# Altium PCB PCB_REV1.PcbDoc (part 1 of 2)
Units mm, origin at the board's own origin, x right, y up, seen from the top; angles counter-clockwise.
Board outline 100 x 100 mm, 2 copper layers (Top Layer, Bottom Layer); 235 components, 215 nets, 648 pads, 178 vias.
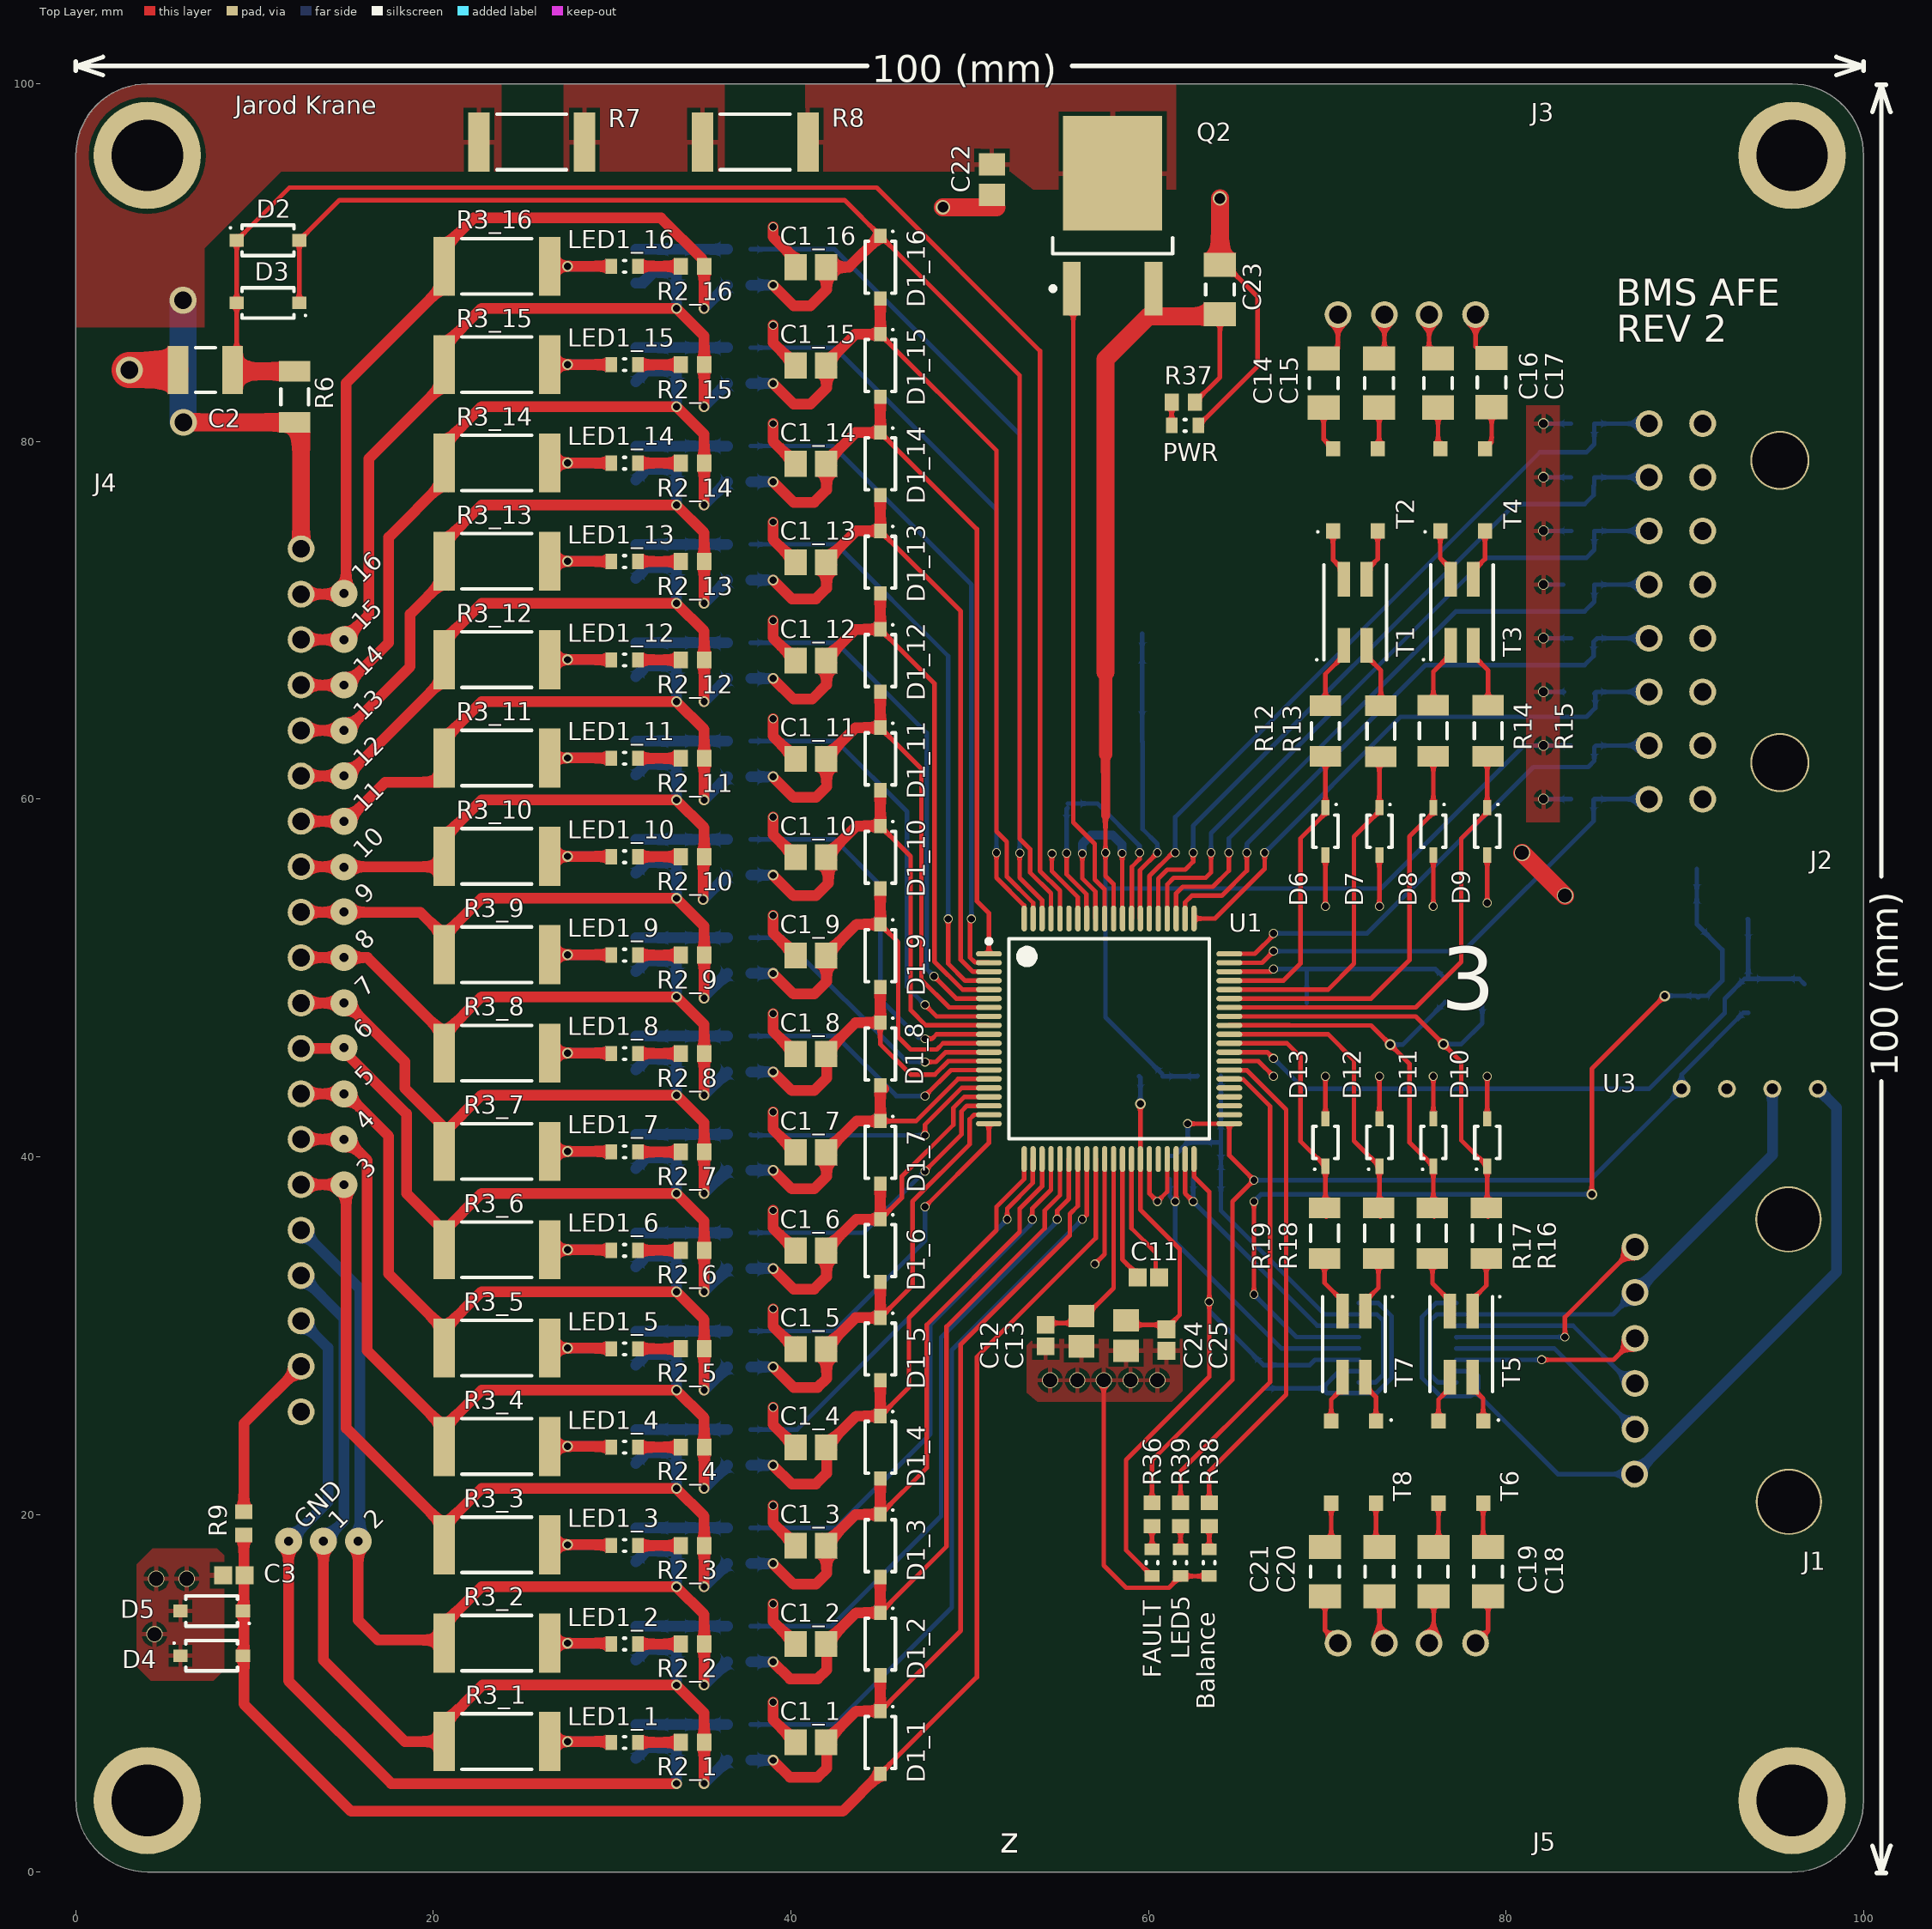
[diagram p0: Top Layer view]
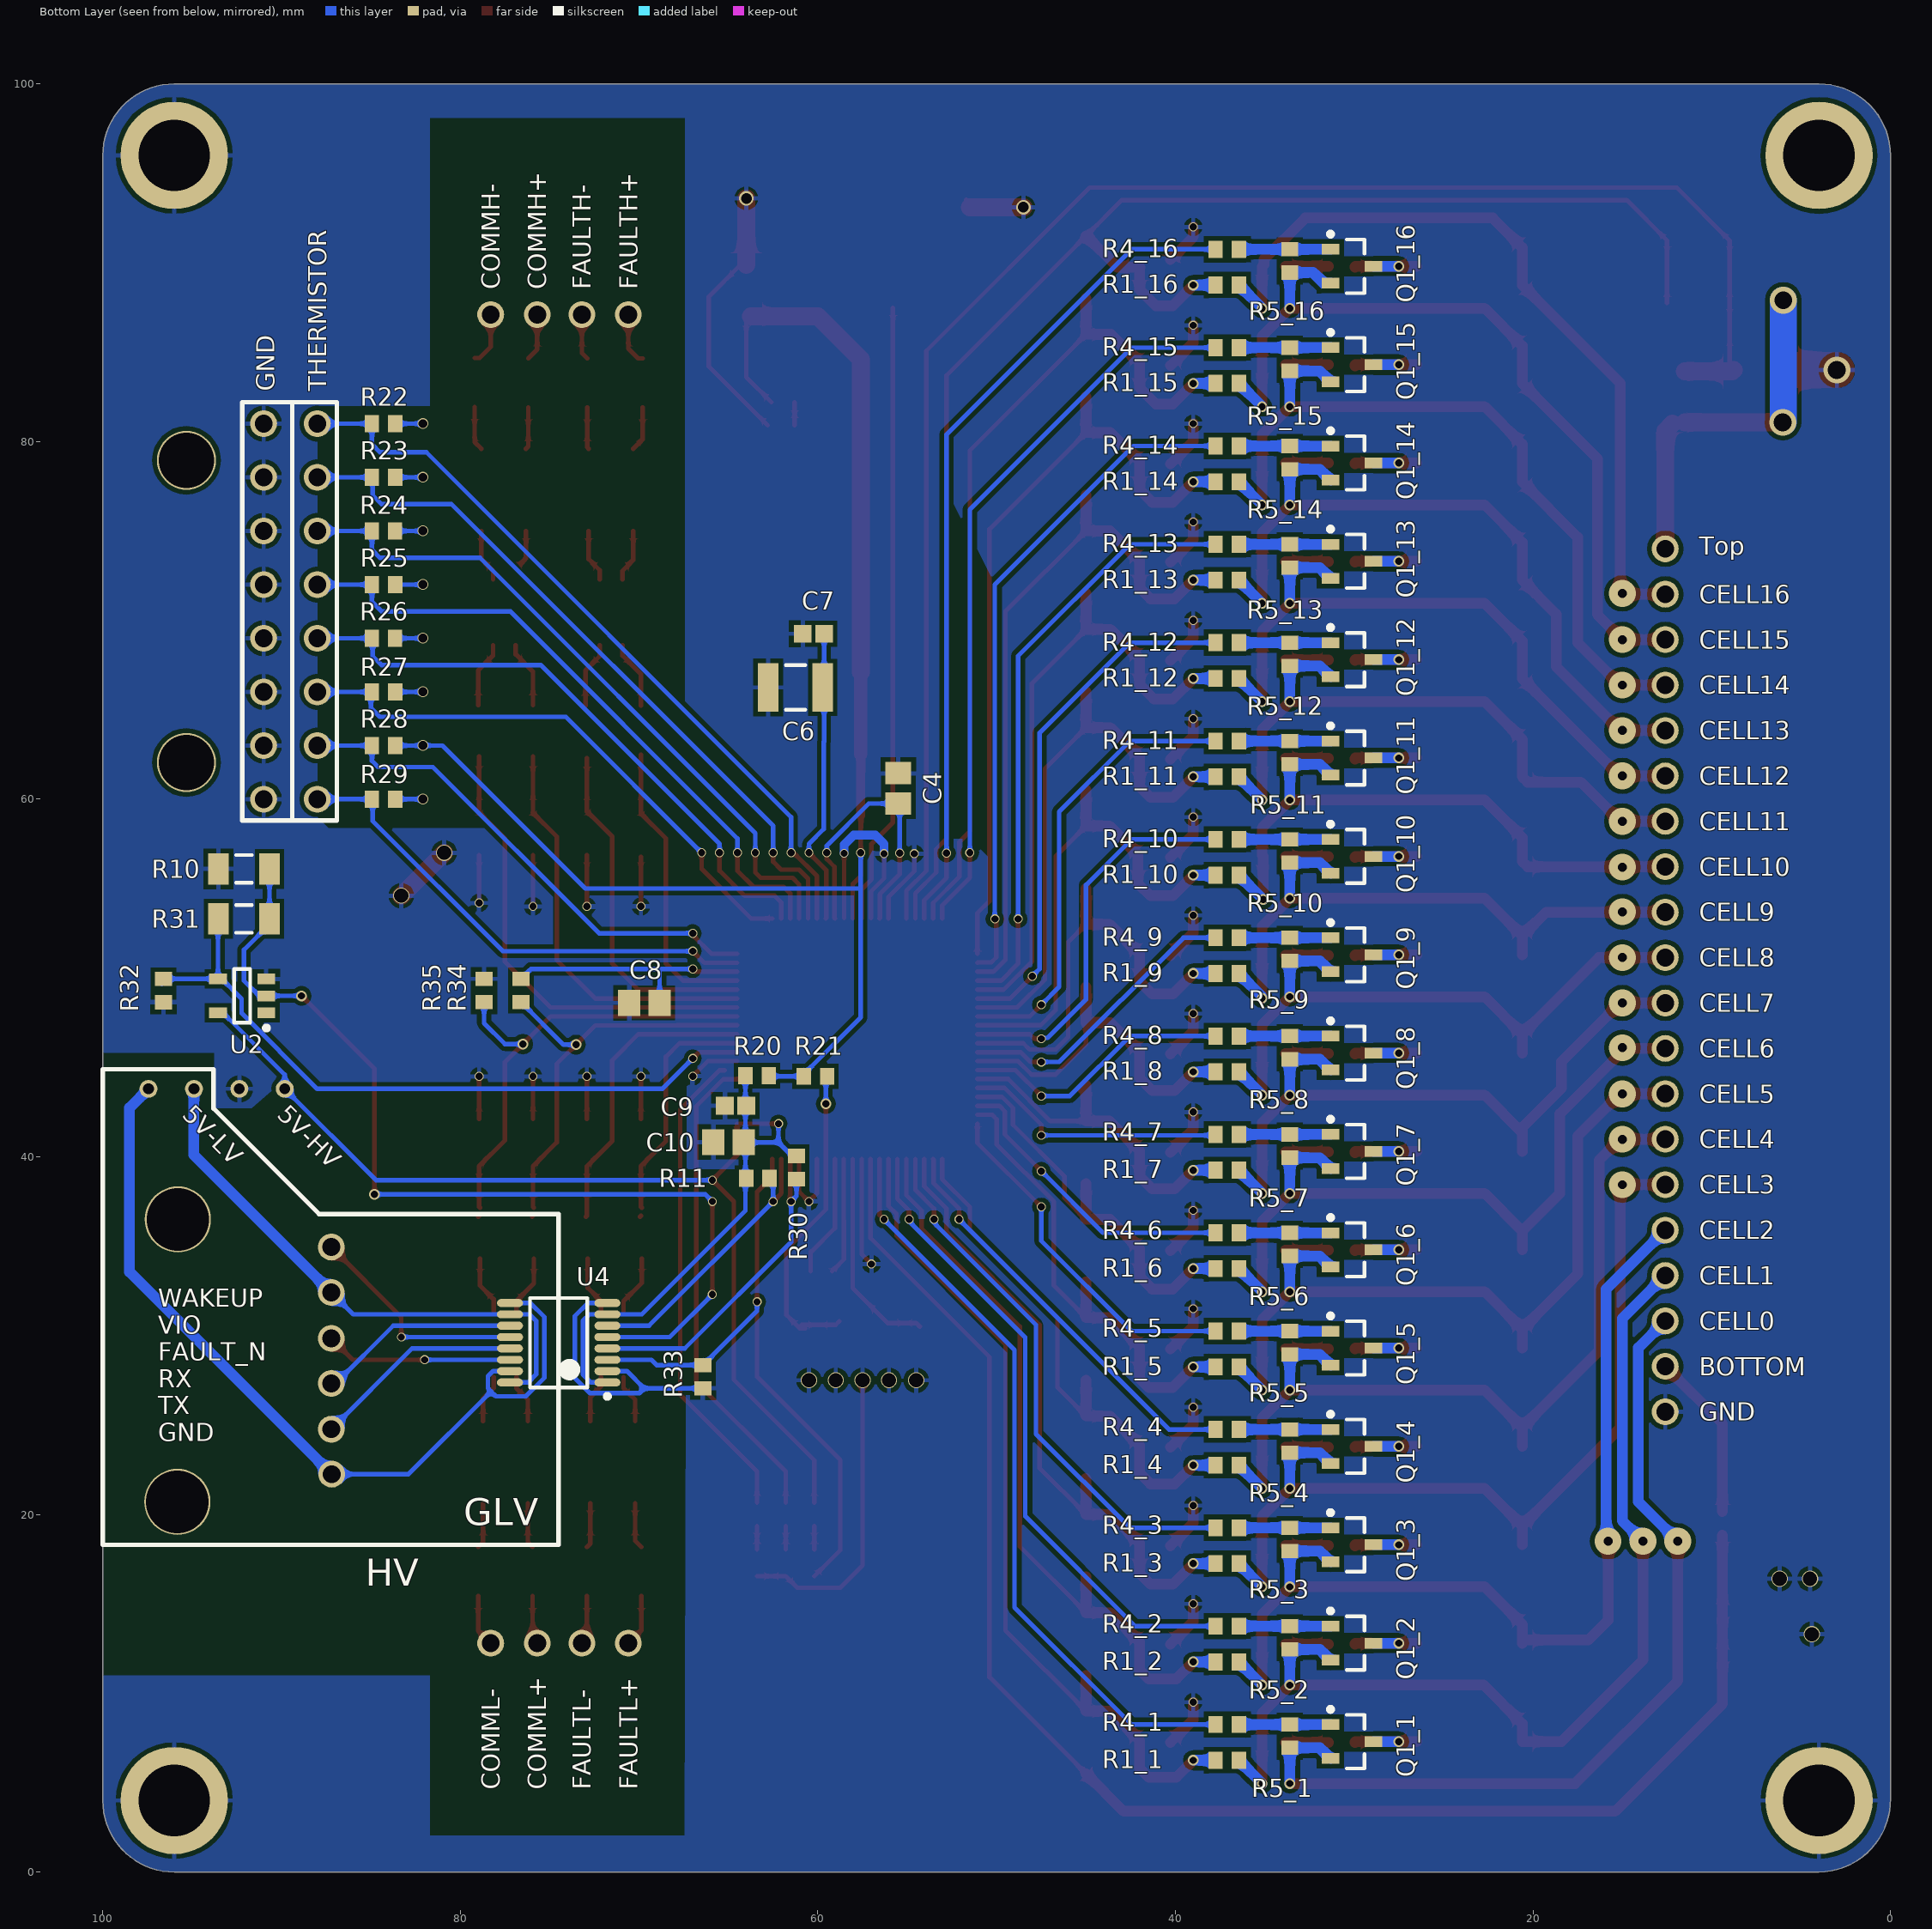
[diagram p1: Bottom Layer view, seen from below]

## Layer stack, top to bottom
Top Solder: solder mask 0.0102, Solder Resist, Dk 3.5
Top Layer: signal copper 0.0356
Dielectric 1: dielectric 0.32, FR-4, Dk 4.8
Bottom Layer: signal copper 0.0356
Bottom Solder: solder mask 0.0102, Solder Resist, Dk 3.5

## Board outline
0,4.1 0,96 cw(c4,96) 4,100 96,100 cw(c96,96) 100,96 100,4 cw(c96,4) 96,0 4,0 cw(c4.05,4.05)

## Design rules (kind name [scope] priority, off if disabled: settings)
Clearance [All] p1: gap=0.254 ignorepadtopadclearanceinfootprint=TRUE except(0: Arc-Hole Track-Hole SMDPad-Hole THPad-Hole Via-Hole Fill-Hole Poly-Hole Region-Hole Text-Hole; 0.203: Arc-Arc Arc-Track Arc-SMDPad Arc-Via Track-Track Track-SMDPad Track-Via SMDPad-SMDPad SMDPad-Via)
DiffPairsRouting [All] p1: maxlimit=0.254 minlimit=0.2 mostfreqgap=0.254 toplayer_minwidth=0.381 toplayer_maxwidth=0.381 toplayer_prefwidth=0.381 bottomlayer_minwidth=0.381 bottomlayer_maxwidth=0.381 bottomlayer_prefwidth=0.381 maxuncoupledlength=12.7
PlaneClearance [All] p1: clearance=1
PolygonConnect PolygonConnect_1 [InNet('TOPCELL_1')or InNet('NetR7_2')or InNet('TOPCELL')] p1: thpad.connectstyle=Relief thpad.reliefconductorwidth=0.254 thpad.reliefentries=4 thpad.polygonreliefangle="90 Angle" thpad.airgapwidth=0.254 smdpad.connectstyle=Relief smdpad.reliefconductorwidth=0.254 smdpad.reliefentries=4 smdpad.polygonreliefangle="90 Angle" smdpad.airgapwidth=0.254 via.connectstyle=Direct via.reliefconductorwidth=0.254 via.reliefentries=4 via.polygonreliefangle="90 Angle" via.airgapwidth=0.254
PolygonConnect [All] p2: connectstyle=Relief reliefconductorwidth=0.254 reliefentries=4 polygonreliefangle="90 Angle" airgapwidth=0.254
RoutingVias [All] p1: holewidth=0.711 width=1.27 viastyle="Through Hole" minholewidth=0.4 minwidth=0.5 maxholewidth=0.711 maxwidth=1.27
SolderMaskExpansion [All] p1: expansion=0.102
Width [All] p1: maxlimit=2 minlimit=0.254 preferedwidth=0.254 minimp=50.000000 maximp=50.000000 favimp=50.000000
28 further rules are at their usual default settings.

## Classes and differential pairs
channel class VSENSE_EQ: 1 2 3 4 5 6 7 8 9 10 11 12 13 14 15 16
component class 16: C1_16 D1_16 LED1_16 Q1_16 R1_16 R2_16 R3_16 R4_16 R5_16
component class 15: C1_15 D1_15 LED1_15 Q1_15 R1_15 R2_15 R3_15 R4_15 R5_15
component class 14: C1_14 D1_14 LED1_14 Q1_14 R1_14 R2_14 R3_14 R4_14 R5_14
component class 13: C1_13 D1_13 LED1_13 Q1_13 R1_13 R2_13 R3_13 R4_13 R5_13
component class 12: C1_12 D1_12 LED1_12 Q1_12 R1_12 R2_12 R3_12 R4_12 R5_12
component class 11: C1_11 D1_11 LED1_11 Q1_11 R1_11 R2_11 R3_11 R4_11 R5_11
component class 10: C1_10 D1_10 LED1_10 Q1_10 R1_10 R2_10 R3_10 R4_10 R5_10
component class 9: C1_9 D1_9 LED1_9 Q1_9 R1_9 R2_9 R3_9 R4_9 R5_9
component class 8: C1_8 D1_8 LED1_8 Q1_8 R1_8 R2_8 R3_8 R4_8 R5_8
component class 7: C1_7 D1_7 LED1_7 Q1_7 R1_7 R2_7 R3_7 R4_7 R5_7
component class 6: C1_6 D1_6 LED1_6 Q1_6 R1_6 R2_6 R3_6 R4_6 R5_6
component class 5: C1_5 D1_5 LED1_5 Q1_5 R1_5 R2_5 R3_5 R4_5 R5_5
component class 4: C1_4 D1_4 LED1_4 Q1_4 R1_4 R2_4 R3_4 R4_4 R5_4
component class 3: C1_3 D1_3 LED1_3 Q1_3 R1_3 R2_3 R3_3 R4_3 R5_3
component class 2: C1_2 D1_2 LED1_2 Q1_2 R1_2 R2_2 R3_2 R4_2 R5_2
component class 1: C1_1 C65 D1_1 D41 D42 LED1_1 Q1_1 Q19 R1_1 R2_1 R3_1 R4_1 R5_1 R114 R115 R116 R117 R118
component class 2: C2 C3 D2 D3 D4 D5 J4 R6 R7 R8 R9

## Components (designator, comment, footprint, x,y, rotation, side; value= is the part's Value field where it differs from the comment)
Balance "GREEN" LED2 63.4,17.3 r270 top (schematic designator LED4)
C1_1 "1uF" "0805 CAP" 41.125,7.25 r0 top (schematic designator C1)
C1_2 "1uF" "0805 CAP" 41.125,12.75 r0 top (schematic designator C1)
C1_3 "1uF" "0805 CAP" 41.125,18.25 r0 top (schematic designator C1)
C1_4 "1uF" "0805 CAP" 41.125,23.75 r0 top (schematic designator C1)
C1_5 "1uF" "0805 CAP" 41.125,29.25 r0 top (schematic designator C1)
C1_6 "1uF" "0805 CAP" 41.125,34.75 r0 top (schematic designator C1)
C1_7 "1uF" "0805 CAP" 41.125,40.25 r0 top (schematic designator C1)
C1_8 "1uF" "0805 CAP" 41.125,45.75 r0 top (schematic designator C1)
C1_9 "1uF" "0805 CAP" 41.125,51.25 r0 top (schematic designator C1)
C1_10 "1uF" "0805 CAP" 41.125,56.75 r0 top (schematic designator C1)
C1_11 "1uF" "0805 CAP" 41.125,62.25 r0 top (schematic designator C1)
C1_12 "1uF" "0805 CAP" 41.125,67.75 r0 top (schematic designator C1)
C1_13 "1uF" "0805 CAP" 41.125,73.25 r0 top (schematic designator C1)
C1_14 "1uF" "0805 CAP" 41.125,78.75 r0 top (schematic designator C1)
C1_15 "1uF" "0805 CAP" 41.125,84.25 r0 top (schematic designator C1)
C1_16 "1uF" "0805 CAP" 41.125,89.75 r0 top (schematic designator C1)
C2 "0.1uF" "1210 cap" 7.25,84 r0 top
C3 "1uF" "0603 CAP - duplicate" 8.85,16.6 r0 top
C4 "390pF" "0805 CAP" 55.5,60.6 r90 bottom
C6 "1.8uF" "1210 cap" 61.25,66.25 r0 bottom
C7 "0.1uF" "0603 CAP - duplicate" 60.25,69.25 r0 bottom
C8 "4.7uF" "0805 CAP" 69.7,48.6 r0 bottom
C9 "0.1uF" "0603 CAP - duplicate" 64.6,42.85 r180 bottom
C10 "4.7uF" "0805 CAP" 65,40.821 r180 bottom
C11 "0.022uF" "0603 CAP - duplicate" 60,33.25 r0 top
C12 "0.1uF" "0603 CAP - duplicate" 54.25,30 r270 top
C13 "4.7uF" "0805 CAP" 56.25,30.25 r270 top
C14 "1000pF" "1206 CAP" 69.8,83.275 r90 top
C15 "1000pF" "1206 CAP" 72.9,83.275 r90 top
C16 "1000pF" "1206 CAP" 76.2,83.275 r90 top
C17 "1000pF" "1206 CAP" 79.2,83.3 r90 top
C18 "1000pF" "1206 CAP" 79,16.8 r270 top
C19 "1000pF" "1206 CAP" 75.958,16.8 r270 top
C20 "1000pF" "1206 CAP" 72.917,16.8 r270 top
C21 "1000pF" "1206 CAP" 69.875,16.8 r270 top
C22 "1uF" "0805 CAP" 51.25,94.65 r90 top
C23 "4.7uF" "1206 CAP" 64,88.5 r270 top
C24 "4.7uF" "0805 CAP" 58.75,30 r90 top
C25 "0.1uF" "0603 CAP - duplicate" 61,29.75 r90 top
D1_1 "5.1V" "ZENER DIODE" 45,7.25 r90 top (schematic designator D1)
D1_2 "5.1V" "ZENER DIODE" 45,12.75 r90 top (schematic designator D1)
D1_3 "5.1V" "ZENER DIODE" 45,18.25 r90 top (schematic designator D1)
D1_4 "5.1V" "ZENER DIODE" 45,23.75 r90 top (schematic designator D1)
D1_5 "5.1V" "ZENER DIODE" 45,29.25 r90 top (schematic designator D1)
D1_6 "5.1V" "ZENER DIODE" 45,34.75 r90 top (schematic designator D1)
D1_7 "5.1V" "ZENER DIODE" 45,40.25 r90 top (schematic designator D1)
D1_8 "5.1V" "ZENER DIODE" 45,45.75 r90 top (schematic designator D1)
D1_9 "5.1V" "ZENER DIODE" 45,51.25 r90 top (schematic designator D1)
D1_10 "5.1V" "ZENER DIODE" 45,56.75 r90 top (schematic designator D1)
D1_11 "5.1V" "ZENER DIODE" 45,62.25 r90 top (schematic designator D1)
D1_12 "5.1V" "ZENER DIODE" 45,67.75 r90 top (schematic designator D1)
D1_13 "5.1V" "ZENER DIODE" 45,73.25 r90 top (schematic designator D1)
D1_14 "5.1V" "ZENER DIODE" 45,78.75 r90 top (schematic designator D1)
D1_15 "5.1V" "ZENER DIODE" 45,84.25 r90 top (schematic designator D1)
D1_16 "5.1V" "ZENER DIODE" 45,89.75 r90 top (schematic designator D1)
D2 "100V" "DIODE BTOB" 10.75,91.25 r180 top
D3 "100V" "DIODE BTOB" 10.75,87.75 r0 top
D4 "100V" "DIODE BTOB" 7.6,12.1 r180 top
D5 "100V" "DIODE BTOB" 7.6,14.6 r0 top
D6 "5V" "TVS DIODE" 69.9,58.2 r90 top
D7 "5V" "TVS DIODE" 72.917,58.2 r90 top
D8 "5V" "TVS DIODE" 75.933,58.2 r90 top
D9 "5V" "TVS DIODE" 78.95,58.2 r90 top
D10 "5V" "TVS DIODE" 78.95,40.8 r270 top
D11 "5V" "TVS DIODE" 75.933,40.8 r270 top
D12 "5V" "TVS DIODE" 72.917,40.8 r270 top
D13 "5V" "TVS DIODE" 69.9,40.8 r270 top
FAULT "GREEN" LED2 60.201,17.3 r270 top (schematic designator LED2)
J1 "70555-0005" "SERIAL HDR" 100.067,19.076 r90 top
J2 "43025-1600" "THERMO HDR" 99.92,56.5 r90 top
J3 "0705530003" "COMM HDR" 80.8,100 r180 top
J4 "DF1BZ-20P-2.5DS" PCBComponent_1 -0.3,76.54 r270 top
J5 "0705530003" "COMM HDR" 68.1,-0.1 r0 top
LED1_1 "GREEN" LED2 30.7,7.25 r180 top (schematic designator LED1)
LED1_2 "GREEN" LED2 30.7,12.753 r180 top (schematic designator LED1)
LED1_3 "GREEN" LED2 30.7,18.257 r180 top (schematic designator LED1)
LED1_4 "GREEN" LED2 30.7,23.76 r180 top (schematic designator LED1)
LED1_5 "GREEN" LED2 30.7,29.263 r180 top (schematic designator LED1)
LED1_6 "GREEN" LED2 30.7,34.767 r180 top (schematic designator LED1)
LED1_7 "GREEN" LED2 30.7,40.27 r180 top (schematic designator LED1)
LED1_8 "GREEN" LED2 30.7,45.773 r180 top (schematic designator LED1)
LED1_9 "GREEN" LED2 30.7,51.277 r180 top (schematic designator LED1)
LED1_10 "GREEN" LED2 30.7,56.78 r180 top (schematic designator LED1)
LED1_11 "GREEN" LED2 30.7,62.283 r180 top (schematic designator LED1)
LED1_12 "GREEN" LED2 30.7,67.787 r180 top (schematic designator LED1)
LED1_13 "GREEN" LED2 30.7,73.29 r180 top (schematic designator LED1)
LED1_14 "GREEN" LED2 30.7,78.793 r180 top (schematic designator LED1)
LED1_15 "GREEN" LED2 30.7,84.297 r180 top (schematic designator LED1)
LED1_16 "GREEN" LED2 30.7,89.8 r180 top (schematic designator LED1)
LED5 "GREEN" LED2 61.801,17.3 r270 top
PWR "GREEN" LED2 62.05,80.9 r0 top (schematic designator LED3)
Q1_1 "2N7002KT1G" N-MOSFET 30.125,7.3 r180 bottom (schematic designator Q1)
Q1_2 "2N7002KT1G" N-MOSFET 30.125,12.8 r180 bottom (schematic designator Q1)
Q1_3 "2N7002KT1G" N-MOSFET 30.125,18.3 r180 bottom (schematic designator Q1)
Q1_4 "2N7002KT1G" N-MOSFET 30.125,23.8 r180 bottom (schematic designator Q1)
Q1_5 "2N7002KT1G" N-MOSFET 30.125,29.3 r180 bottom (schematic designator Q1)
Q1_6 "2N7002KT1G" N-MOSFET 30.125,34.8 r180 bottom (schematic designator Q1)
Q1_7 "2N7002KT1G" N-MOSFET 30.125,40.3 r180 bottom (schematic designator Q1)
Q1_8 "2N7002KT1G" N-MOSFET 30.125,45.8 r180 bottom (schematic designator Q1)
Q1_9 "2N7002KT1G" N-MOSFET 30.125,51.3 r180 bottom (schematic designator Q1)
Q1_10 "2N7002KT1G" N-MOSFET 30.125,56.8 r180 bottom (schematic designator Q1)
Q1_11 "2N7002KT1G" N-MOSFET 30.125,62.3 r180 bottom (schematic designator Q1)
Q1_12 "2N7002KT1G" N-MOSFET 30.125,67.8 r180 bottom (schematic designator Q1)
Q1_13 "2N7002KT1G" N-MOSFET 30.125,73.3 r180 bottom (schematic designator Q1)
Q1_14 "2N7002KT1G" N-MOSFET 30.125,78.8 r180 bottom (schematic designator Q1)
Q1_15 "2N7002KT1G" N-MOSFET 30.125,84.3 r180 bottom (schematic designator Q1)
Q1_16 "2N7002KT1G" N-MOSFET 30.125,89.8 r180 bottom (schematic designator Q1)
Q2 "ZXTN4004KTC" "NPN TRANSISTOR" 58,92.65 r90 top
R1_1 "1K" "0603 RES" 37.1,6.25 r180 bottom (schematic designator R1)
R1_2 "1K" "0603 RES" 37.1,11.75 r180 bottom (schematic designator R1)
R1_3 "1K" "0603 RES" 37.1,17.25 r180 bottom (schematic designator R1)
R1_4 "1K" "0603 RES" 37.1,22.75 r180 bottom (schematic designator R1)
R1_5 "1K" "0603 RES" 37.1,28.25 r180 bottom (schematic designator R1)
R1_6 "1K" "0603 RES" 37.1,33.75 r180 bottom (schematic designator R1)
R1_7 "1K" "0603 RES" 37.1,39.25 r180 bottom (schematic designator R1)
R1_8 "1K" "0603 RES" 37.1,44.75 r180 bottom (schematic designator R1)
R1_9 "1K" "0603 RES" 37.1,50.25 r180 bottom (schematic designator R1)
R1_10 "1K" "0603 RES" 37.1,55.75 r180 bottom (schematic designator R1)
R1_11 "1K" "0603 RES" 37.1,61.25 r180 bottom (schematic designator R1)
R1_12 "1K" "0603 RES" 37.1,66.75 r180 bottom (schematic designator R1)
R1_13 "1K" "0603 RES" 37.1,72.25 r180 bottom (schematic designator R1)
R1_14 "1K" "0603 RES" 37.1,77.75 r180 bottom (schematic designator R1)
R1_15 "1K" "0603 RES" 37.1,83.25 r180 bottom (schematic designator R1)
R1_16 "1K" "0603 RES" 37.1,88.75 r180 bottom (schematic designator R1)
R2_1 "1K" "0603 RES" 34.5,7.25 r0 top (schematic designator R2)
R2_2 "1K" "0603 RES" 34.5,12.753 r0 top (schematic designator R2)
R2_3 "1K" "0603 RES" 34.5,18.257 r0 top (schematic designator R2)
R2_4 "1K" "0603 RES" 34.5,23.76 r0 top (schematic designator R2)
R2_5 "1K" "0603 RES" 34.5,29.263 r0 top (schematic designator R2)
R2_6 "1K" "0603 RES" 34.5,34.767 r0 top (schematic designator R2)
R2_7 "1K" "0603 RES" 34.5,40.27 r0 top (schematic designator R2)
R2_8 "1K" "0603 RES" 34.5,45.773 r0 top (schematic designator R2)
R2_9 "1K" "0603 RES" 34.5,51.277 r0 top (schematic designator R2)
R2_10 "1K" "0603 RES" 34.5,56.78 r0 top (schematic designator R2)
R2_11 "1K" "0603 RES" 34.5,62.283 r0 top (schematic designator R2)
R2_12 "1K" "0603 RES" 34.5,67.787 r0 top (schematic designator R2)
R2_13 "1K" "0603 RES" 34.5,73.29 r0 top (schematic designator R2)
R2_14 "1K" "0603 RES" 34.5,78.793 r0 top (schematic designator R2)
R2_15 "1K" "0603 RES" 34.5,84.297 r0 top (schematic designator R2)
R2_16 "1K" "0603 RES" 34.5,89.8 r0 top (schematic designator R2)
R3_1 "75R" "2512 RES" 23.55,7.3 r0 top (schematic designator R3)
R3_2 "75R" "2512 RES" 23.55,12.8 r0 top (schematic designator R3)
R3_3 "75R" "2512 RES" 23.55,18.3 r0 top (schematic designator R3)
R3_4 "75R" "2512 RES" 23.55,23.8 r0 top (schematic designator R3)
R3_5 "75R" "2512 RES" 23.55,29.3 r0 top (schematic designator R3)
R3_6 "75R" "2512 RES" 23.55,34.8 r0 top (schematic designator R3)
R3_7 "75R" "2512 RES" 23.55,40.3 r0 top (schematic designator R3)
R3_8 "75R" "2512 RES" 23.55,45.8 r0 top (schematic designator R3)
R3_9 "75R" "2512 RES" 23.55,51.3 r0 top (schematic designator R3)
R3_10 "75R" "2512 RES" 23.55,56.8 r0 top (schematic designator R3)
R3_11 "75R" "2512 RES" 23.55,62.3 r0 top (schematic designator R3)
R3_12 "75R" "2512 RES" 23.55,67.8 r0 top (schematic designator R3)
R3_13 "75R" "2512 RES" 23.55,73.3 r0 top (schematic designator R3)
R3_14 "75R" "2512 RES" 23.55,78.8 r0 top (schematic designator R3)
R3_15 "75R" "2512 RES" 23.55,84.3 r0 top (schematic designator R3)
R3_16 "75R" "2512 RES" 23.55,89.8 r0 top (schematic designator R3)
R4_1 "2K" "0603 RES" 37.1,8.25 r180 bottom (schematic designator R4)
R4_2 "2K" "0603 RES" 37.1,13.75 r180 bottom (schematic designator R4)
R4_3 "2K" "0603 RES" 37.1,19.25 r180 bottom (schematic designator R4)
R4_4 "2K" "0603 RES" 37.1,24.75 r180 bottom (schematic designator R4)
R4_5 "2K" "0603 RES" 37.1,30.25 r180 bottom (schematic designator R4)